# Altium PCB PCB_15122020_01CA.PcbDoc (part 4 of 5) (continued)
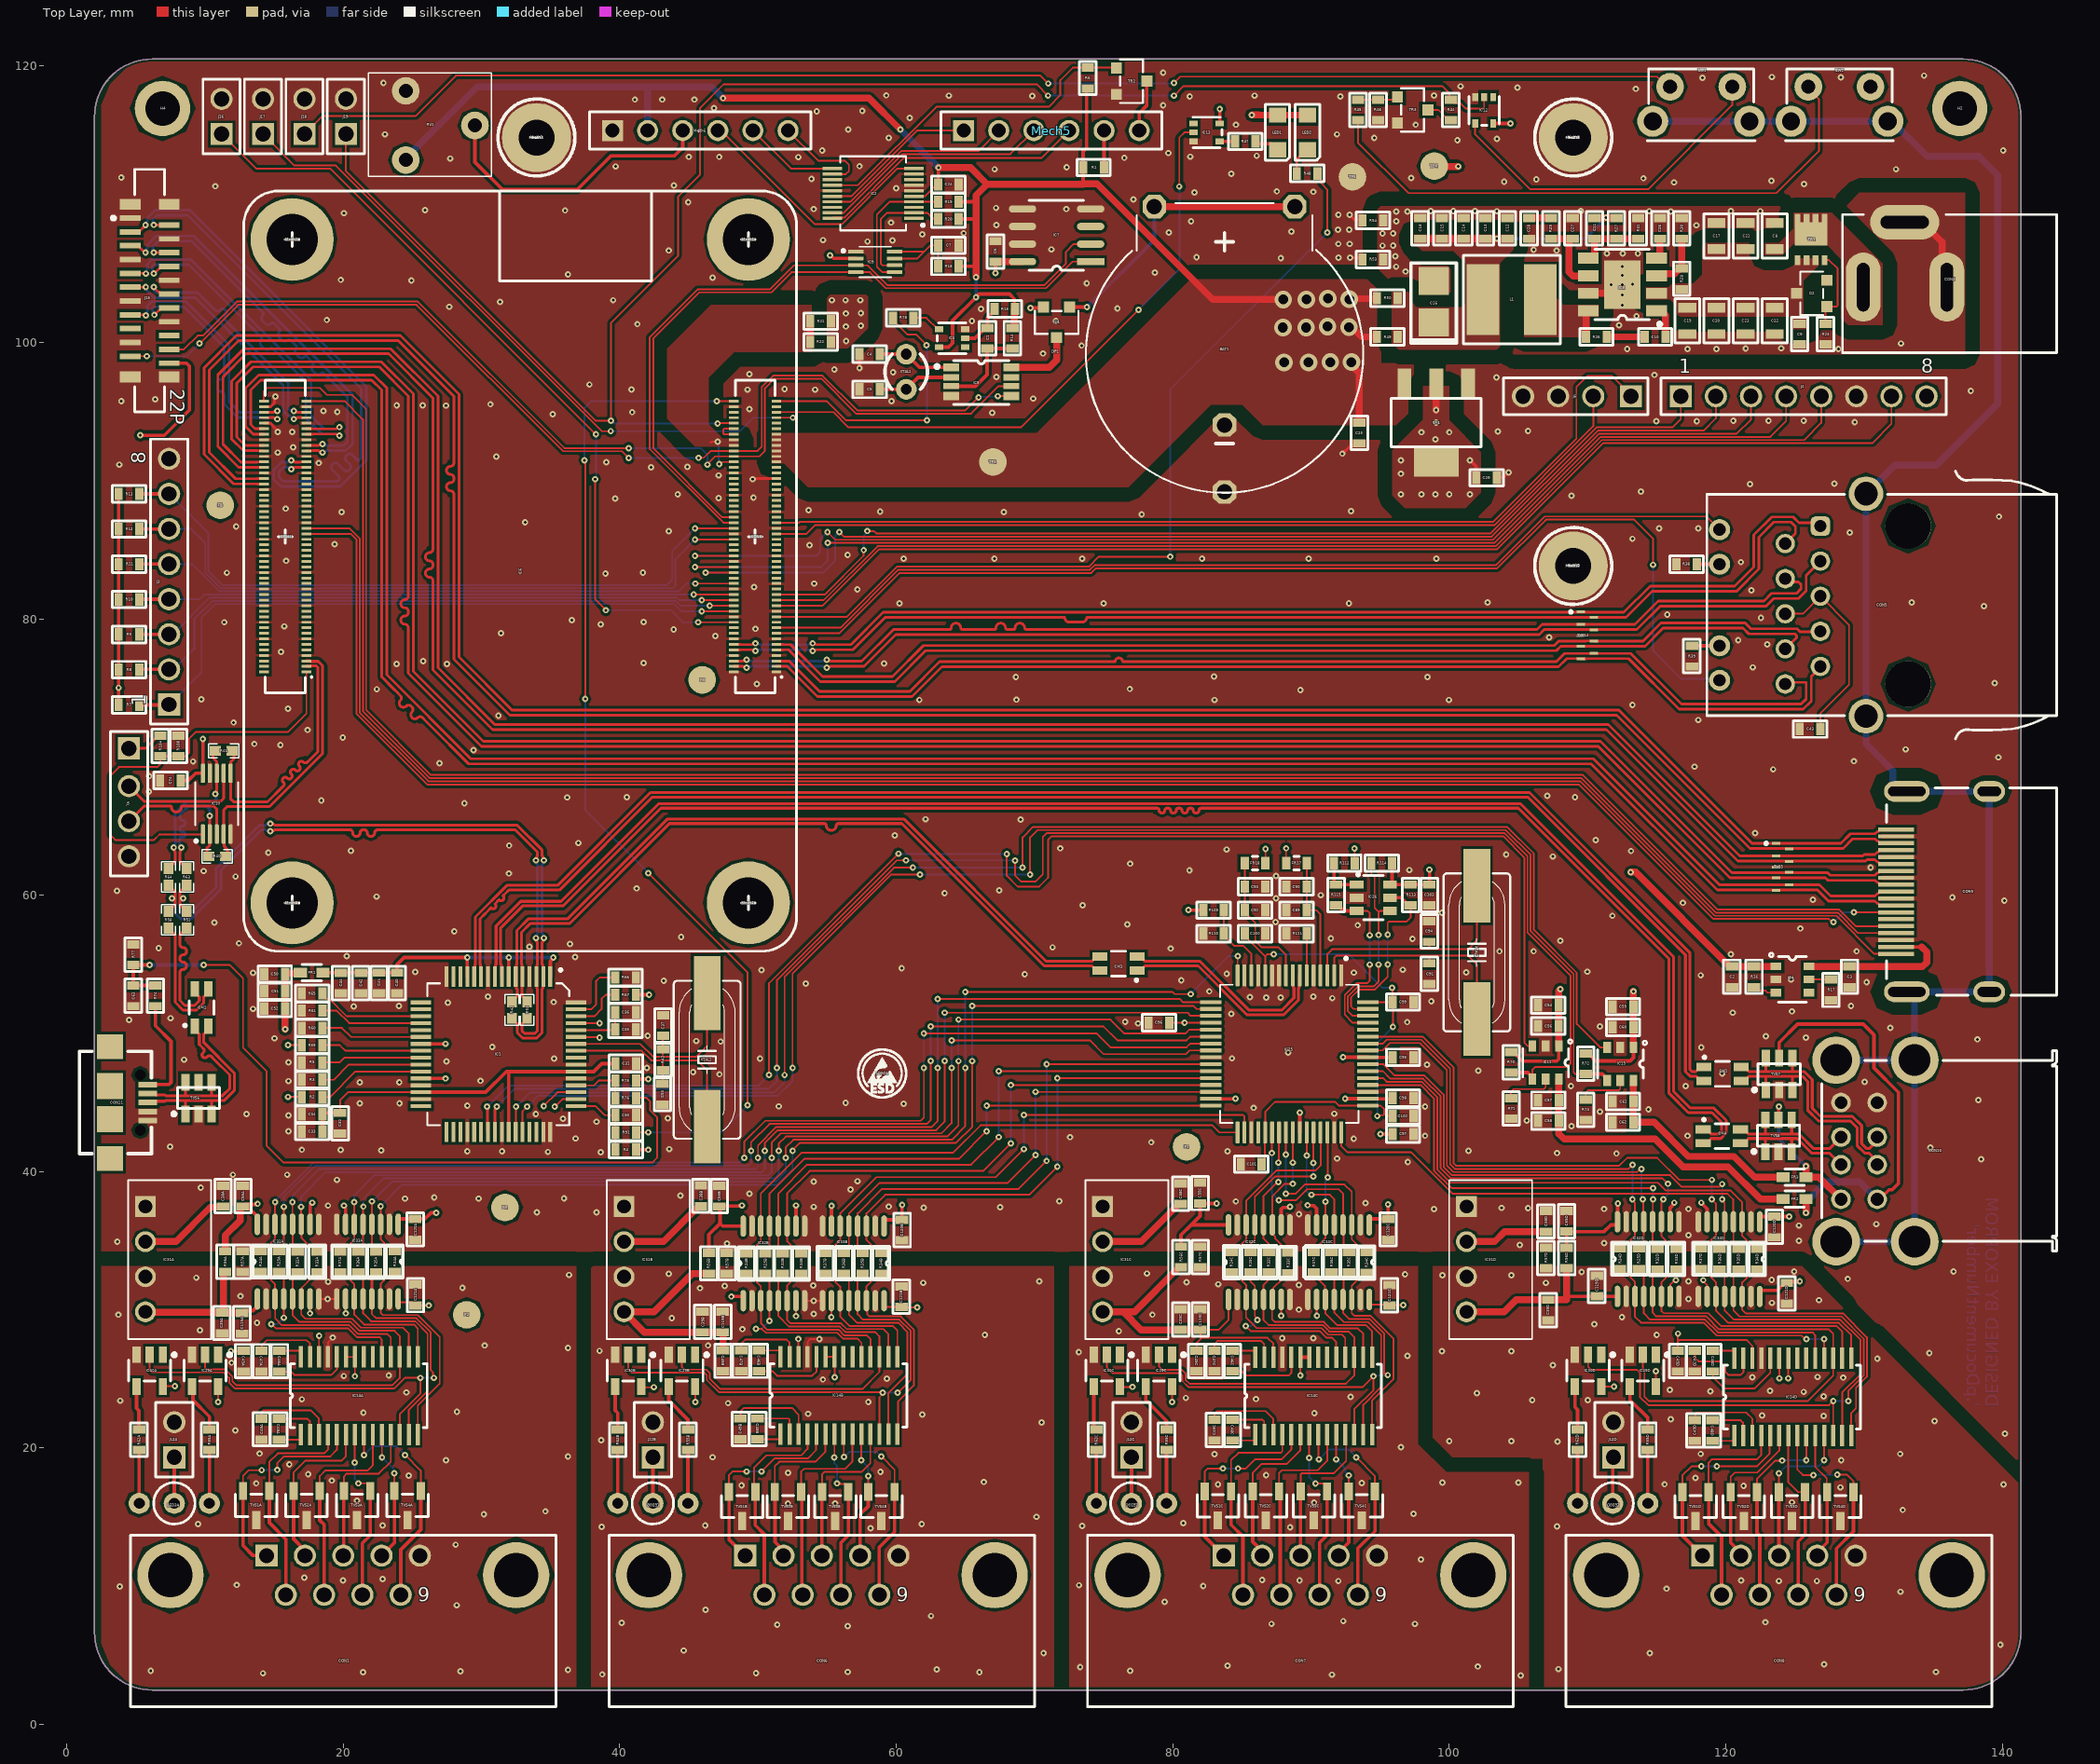
[diagram p0: Top Layer view]
## Nets (pads, with @x,y where several pads share a name; then routed paths per layer and width w, separated by ;. In a path a pad name is that pad's centre, name@x,y a point inside that pad or via, vN(x,y) a via of type N, cw(c..) or ccw(c..) an arc to the next point about the centre after c; other vN are vias at no path point) (continued)
RS_CTS_1: CON1.8 IC14A.7 TVS3A.1 | length 12.7
  Top Layer w0.127: v1(20.825,18.95) 20.833,18.958 20.833,20.981 IC14A.7@20.841,20.989 ; v1(21.1,17.45) 21.717,17.45 21.954,17.214 TVS3A.1@21.954,16.896
  Top Layer w0.254: CON1.8@21.385,9.38 21.385,13.11 21.954,13.679 TVS3A.1@21.954,16.896
  Bottom Layer w0.127: v1(20.825,18.95) 20.825,17.763 21.1,17.488 v1(21.1,17.45)
RS_CTS_2: CON6.8 IC14B.7 TVS3B.1 | length 12.6
  Top Layer w0.127: v1(55.525,19.325) 55.53,19.33 55.53,21.009 IC14B.7@55.534,21.014 ; v1(55.725,17.45) 55.765,17.41 56.3,17.41 56.537,17.173 TVS3B.1@56.537,16.823
  Top Layer w0.254: CON6.8@56.004,9.38 56.004,13.154 56.537,13.687 TVS3B.1@56.537,16.823
  Bottom Layer w0.127: v1(55.525,19.325) 55.525,18.909 55.725,18.71 v1(55.725,17.45)
RS_CTS_3: CON7.8 IC14C.7 TVS3C.1 | length 12.7
  Top Layer w0.127: v1(89.875,19.3) 89.877,19.302 89.877,20.973 IC14C.7@89.879,20.975 ; v1(90.325,17.425) 90.925,17.425 91.161,17.189 TVS3C.1@91.161,16.867
  Top Layer w0.254: CON7.8@90.622,9.38 90.622,13.147 91.161,13.686 TVS3C.1@91.161,16.867
  Bottom Layer w0.127: v1(89.875,19.3) 89.875,17.875 v1(90.325,17.425)
RS_CTS_4: CON8.8 IC14D.7 TVS3D.1 | length 12.5
  Top Layer w0.127: IC14D.7@124.527,20.892 124.527,17.523 125.238,16.812 TVS3D.1@125.749,16.812
  Top Layer w0.254: CON8.8@125.241,9.38 125.241,13.241 125.749,13.749 TVS3D.1@125.749,16.812
RS_DCD_1: CON1.1 IC14A.5 TVS1A.2 | length 16
  Top Layer w0.127: TVS1A.2@12.754,16.896 12.754,18 13.154,18.4 v1(14.1,18.4) ; v1(15.225,18.425) 15.225,18.896 15.725,19.396 19.071,19.396 19.541,19.866 IC14A.5@19.541,20.989
  Top Layer w0.254: TVS1A.2@12.754,16.896 12.754,12.941 13.475,12.22 CON1.1@14.46,12.22
  Bottom Layer w0.127: v1(14.1,18.4) 14.113,18.413 15.212,18.413 v1(15.225,18.425)
RS_DCD_2: CON6.1 IC14B.5 TVS1B.2 | length 14.5
  Top Layer w0.127: TVS1B.2@47.906,16.823 47.906,18.056 48.15,18.3 v1(49.175,18.3) ; v1(50.25,18.3) 51.196,19.246 53.596,19.246 54.2,19.85 54.2,20.979 IC14B.5@54.234,21.014
  Top Layer w0.254: TVS1B.2@47.906,16.823 47.906,13.393 CON6.1@49.079,12.22
  Bottom Layer w0.127: v1(49.175,18.3) v1(50.25,18.3)
RS_DCD_3: CON7.1 IC14C.5 TVS1C.2 | length 14.7
  Top Layer w0.127: TVS1C.2@82.32,16.867 82.32,18.32 82.525,18.525 v1(83.625,18.525) ; v1(84.725,18.525) 85.3,18.525 85.973,19.198 87.898,19.198 88.579,19.879 IC14C.5@88.579,20.975
  Top Layer w0.254: TVS1C.2@82.32,16.867 82.32,13.597 CON7.1@83.697,12.22
  Bottom Layer w0.127: v1(83.625,18.525) v1(84.725,18.525)
RS_DCD_4: CON8.1 IC14D.5 TVS1D.2 | length 14.7
  Top Layer w0.127: TVS1D.2@116.868,16.812 116.868,18.018 117.525,18.675 v1(118.235,18.675) ; v1(119.35,18.675) 122.25,18.675 123.177,19.602 123.177,20.842 IC14D.5@123.227,20.892
  Top Layer w0.254: TVS1D.2@116.868,16.812 116.868,13.668 CON8.1@118.316,12.22
  Bottom Layer w0.127: v1(118.235,18.675) v1(119.35,18.675)
RS_DSR_1: CON1.6 IC14A.4 TVS1A.1 | length 15.8
  Top Layer w0.127: TVS1A.1@14.654,16.896 14.654,19.004 15.275,19.625 18.625,19.625 18.891,19.891 IC14A.4@18.891,20.989
  Top Layer w0.254: TVS1A.1@14.654,16.896 14.654,14.596 15.845,13.405 CON1.6@15.845,9.38
RS_DSR_2: CON6.6 IC14B.4 TVS1B.1 | length 15
  Top Layer w0.127: TVS1B.1@49.806,16.823 49.725,16.904 49.725,18.6 50.6,19.475 53.125,19.475 53.584,19.934 IC14B.4@53.584,21.014
  Top Layer w0.254: TVS1B.1@49.806,16.823 49.806,14.419 50.464,13.761 CON6.6@50.464,9.38
RS_DSR_3: CON7.6 IC14C.4 TVS1C.1 | length 15.3
  Top Layer w0.127: TVS1C.1@84.22,16.867 84.22,19.125 84.745,19.65 87.812,19.65 87.929,19.767 IC14C.4@87.929,20.975
  Top Layer w0.254: TVS1C.1@84.22,16.867 84.22,14.455 85.082,13.593 CON7.6@85.082,9.38
RS_DSR_4: CON8.6 IC14D.4 TVS1D.1 | length 15.4
  Top Layer w0.127: TVS1D.1@118.768,16.812 118.768,18.943 119.025,19.2 122.27,19.2 122.577,19.507 IC14D.4@122.577,20.892
  Top Layer w0.254: TVS1D.1@118.768,16.812 118.768,14.532 119.701,13.599 CON8.6@119.701,9.38
RS_DTR_1: CON1.4 IC14A.10 TVS4A.2 | length 9.5
  Top Layer w0.127: IC14A.10@22.791,20.989 22.796,20.985 22.796,19.334 v1(22.8,19.33) ; v1(23.7,18.175) 23.7,16.9 TVS4A.2@23.704,16.896
  Top Layer w0.254: CON1.4@22.77,12.22 23.704,13.154 TVS4A.2@23.704,16.896
  Bottom Layer w0.127: v1(22.8,19.33) 23.638,18.492 23.638,18.237 v1(23.7,18.175)
RS_DTR_2: CON6.4 IC14B.10 TVS4B.2 | length 9.3
  Top Layer w0.127: v1(57.475,19.113) 57.48,19.117 57.48,21.009 IC14B.10@57.484,21.014 ; TVS4B.2@57.982,16.823 v1(57.982,17.975)
  Top Layer w0.254: CON6.4@57.389,12.22 57.389,15.199 57.982,15.792 TVS4B.2@57.982,16.823
  Bottom Layer w0.127: v1(57.475,19.113) 57.982,18.606 v1(57.982,17.975)
RS_DTR_3: CON7.4 IC14C.10 TVS4C.2 | length 9.4
  Top Layer w0.127: v1(91.825,19.175) 91.827,19.177 91.827,20.973 IC14C.10@91.829,20.975 ; v1(92.725,18.025) 92.732,18.018 TVS4C.2@92.732,16.867
  Top Layer w0.254: CON7.4@92.007,12.22 92.007,12.441 92.732,13.165 TVS4C.2@92.732,16.867
  Bottom Layer w0.127: v1(91.825,19.175) 92.431,18.569 92.431,18.319 v1(92.725,18.025)
RS_DTR_4: CON8.4 IC14D.10 TVS4D.2 | length 9.3
  Top Layer w0.127: IC14D.10@126.477,20.892 126.477,18.648 127.3,17.825 127.3,16.852 TVS4D.2@127.34,16.812
  Top Layer w0.254: CON8.4@126.626,12.22 126.626,12.463 127.34,13.176 TVS4D.2@127.34,16.812
RS_RI_1: CON1.9 IC14A.8 TVS4A.1 | length 16.2
  Top Layer w0.127: IC14A.8@21.491,20.989 21.496,20.985 21.496,19.504 v1(21.5,19.5) ; v1(24.475,19.5) 25.604,18.371 TVS4A.1@25.604,16.896
  Top Layer w0.254: CON1.9@24.155,9.38 24.155,12.655 25.604,14.104 TVS4A.1@25.604,16.896
  Bottom Layer w0.127: v1(21.5,19.5) 22.125,20.125 23.85,20.125 v1(24.475,19.5)
RS_RI_2: CON6.9 IC14B.8 TVS4B.1 | length 15.5
  Top Layer w0.127: IC14B.8@56.184,21.014 56.205,20.993 56.205,19.37 v1(56.225,19.35) ; v1(58.925,19.4) 59.882,18.443 TVS4B.1@59.882,16.823
  Top Layer w0.254: CON6.9@58.774,9.38 58.774,12.824 59.882,13.932 TVS4B.1@59.882,16.823
  Bottom Layer w0.127: v1(56.225,19.35) 56.6,19.725 58.6,19.725 v1(58.925,19.4)
RS_RI_3: CON7.9 IC14C.8 TVS4C.1 | length 16.1
  Top Layer w0.127: IC14C.8@90.529,20.975 90.552,20.952 90.552,19.198 v1(90.575,19.175) ; v1(93.275,19.33) 94.632,17.973 TVS4C.1@94.632,16.867
  Top Layer w0.254: CON7.9@93.392,9.38 93.392,12.742 94.632,13.982 TVS4C.1@94.632,16.867
  Bottom Layer w0.127: v1(90.575,19.175) 91.3,19.9 92.725,19.9 93.275,19.35 v1(93.275,19.33)
RS_RI_4: CON8.9 IC14D.8 TVS4D.1 | length 15.6
  Top Layer w0.127: IC14D.8@125.177,20.892 125.177,18.447 125.573,18.05 v1(126.35,18.05) ; v1(128.075,18.075) 128.775,18.075 129.24,17.61 TVS4D.1@129.24,16.812
  Top Layer w0.254: CON8.9@128.011,9.38 128.011,12.736 129.24,13.965 TVS4D.1@129.24,16.812
  Bottom Layer w0.127: v1(126.35,18.05) 126.363,18.063 128.062,18.063 v1(128.075,18.075)
RS_RTS_1: CON1.7 IC14A.9 TVS2A.1 | length 15.1
  Top Layer w0.127: TVS2A.1@18.3,16.896 18.3,17.975 18.7,18.375 21.75,18.375 22.141,18.766 IC14A.9@22.141,20.989
  Top Layer w0.254: TVS2A.1@18.3,16.896 18.3,14.775 18.615,14.46 CON1.7@18.615,9.38
RS_RTS_2: CON6.7 IC14B.9 TVS2B.1 | length 15
  Top Layer w0.127: TVS2B.1@53.118,16.823 53.118,18.293 53.325,18.5 56.3,18.5 56.834,19.034 IC14B.9@56.834,21.014
  Top Layer w0.254: TVS2B.1@53.118,16.823 53.176,16.766 53.176,9.438 CON6.7@53.234,9.38
RS_RTS_3: CON7.7 IC14C.9 TVS2C.1 | length 14.6
  Top Layer w0.127: TVS2C.1@87.691,16.867 87.691,18.191 87.9,18.4 90.5,18.4 91.179,19.079 IC14C.9@91.179,20.975
  Top Layer w0.254: TVS2C.1@87.691,16.867 87.772,16.786 87.772,9.461 CON7.7@87.852,9.38
RS_RTS_4: CON8.7 IC14D.9 TVS2D.1 | length 14.4
  Top Layer w0.127: TVS2D.1@122.258,16.812 122.258,17.758 123.6,19.1 v1(124.075,19.1) ; v1@125.826,19.126 IC14D.9@125.826,20.891
  Top Layer w0.254: TVS2D.1@122.258,16.812 122.258,13.884 122.471,13.671 CON8.7@122.471,9.38
  Bottom Layer w0.127: v1(124.075,19.1) 124.088,19.113 125.813,19.113 v1(125.825,19.125)
RS_RX_1: CON1.2 IC14A.6 TVS2A.2 | length 12.2
  Top Layer w0.127: TVS2A.2@16.4,16.896 16.4,18.225 17.25,19.075 19.85,19.075 20.191,19.416 IC14A.6@20.191,20.989
  Top Layer w0.254: TVS2A.2@16.4,16.896 16.4,13.414 17.23,12.584 CON1.2@17.23,12.22
RS_RX_2: CON6.2 IC14B.6 TVS2B.2 | length 12.1
  Top Layer w0.127: TVS2B.2@51.218,16.823 51.218,18.688 51.548,19.018 54.143,19.018 54.884,19.759 IC14B.6@54.884,21.014
  Top Layer w0.254: TVS2B.2@51.218,16.823 51.225,16.816 51.225,13.208 51.849,12.584 CON6.2@51.849,12.22
RS_RX_3: CON7.2 IC14C.6 TVS2C.2 | length 11.5
  Top Layer w0.127: TVS2C.2@85.791,16.867 85.791,18.225 86.416,18.85 88.225,18.85 89.229,19.854 IC14C.6@89.229,20.975
  Top Layer w0.254: TVS2C.2@85.791,16.867 85.791,13.214 86.467,12.537 CON7.2@86.467,12.22
RS_RX_4: CON8.2 IC14D.6 TVS2D.2 | length 11.4
  Top Layer w0.127: TVS2D.2@120.358,16.812 120.358,17.925 120.658,18.225 122.275,18.225 123.877,19.827 IC14D.6@123.877,20.892
  Top Layer w0.254: TVS2D.2@120.358,16.812 120.358,13.163 121.086,12.435 CON8.2@121.086,12.22
RS_TXD_1: CON1.3 IC14A.11 TVS3A.2 | length 11.6
  Top Layer w0.127: TVS3A.2@20.054,16.896 20.054,17.95 20.25,18.146 22.571,18.146 23.441,19.016 IC14A.11@23.441,20.989
  Top Layer w0.254: CON1.3@20,12.22 20.027,12.247 20.027,16.869 TVS3A.2@20.054,16.896
RS_TXD_2: CON6.3 IC14B.11 TVS3B.2 | length 11.8
  Top Layer w0.127: TVS3B.2@54.637,16.823 54.637,18.108 54.8,18.271 57.496,18.271 58.125,18.9 58.125,21.004 IC14B.11@58.134,21.014
  Top Layer w0.254: CON6.3@54.619,12.22 54.628,12.229 54.628,16.814 TVS3B.2@54.637,16.823
RS_TXD_3: CON7.3 IC14C.11 TVS3C.2 | length 11.5
  Top Layer w0.127: TVS3C.2@89.261,16.867 89.261,18.097 89.336,18.171 91.643,18.171 92.55,19.079 92.55,20.904 IC14C.11@92.479,20.975
  Top Layer w0.254: CON7.3@89.237,12.22 89.249,12.232 89.249,16.855 TVS3C.2@89.261,16.867
RS_TXD_4: CON8.3 IC14D.11 TVS3D.2 | length 11.4
  Top Layer w0.127: TVS3D.2@123.849,16.812 123.85,16.813 v1(123.85,18.175) ; v1(127.125,19.113) IC14D.11@127.126,20.891
  Top Layer w0.254: TVS3D.2@123.849,16.812 123.853,16.809 123.853,12.223 CON8.3@123.856,12.22
  Bottom Layer w0.127: v1(123.85,18.175) 124.35,18.675 126.687,18.675 v1(127.125,19.113)
RUN_PG: CON3.92 IC12.2 J19.1 R44.1 | length 123.3
  Top Layer w0.127: J19.1@20.196,115.075 20.196,112.398 38.269,94.325 v1(39.375,94.325) 39.375,101.425 44.225,106.275 44.225,110.55 45.8,112.125 45.8,116.95 47.525,118.675 70.15,118.675 v1(70.975,117.85) ; v1(47.075,94.125) 47.102,94.152 CON3.92@48.257,94.152 ; v1(80.1,117.85) 80.796,118.546 99.479,118.546 100.025,118 100.025,117.666 R44.1@100.122,117.568 100.359,117.332 100.768,117.332 101.175,116.925 102.446,116.925 102.527,117.006 IC12.2@102.527,117.743
  Bottom Layer w0.127: v1(39.375,94.325) 39.462,94.325 39.662,94.125 v1(47.075,94.125) ; v1(70.975,117.85) v1(80.1,117.85)
SCL0: CON3.80 IC5.6 J15.20 | length 74.8
  Top Layer w0.127: J15.20@7.4,99.495 8.47,99.495 9.475,100.5 9.852,100.5 12.305,102.954 25.395,102.954 35.995,92.354 40.649,92.354 v1(40.65,92.352) ; v1(46.35,91.15) 46.35,91.2 46.902,91.752 CON3.80@48.257,91.752 50.102,91.752 50.504,92.154 50.504,96.68 51.195,97.371 54.575,97.371 57.096,94.85 65.42,94.85 67.402,96.833 IC5.6@68.325,96.833
  Bottom Layer w0.127: v1(40.65,92.352) 45.85,92.352 46.35,91.853 v1(46.35,91.15)
SCL_+5V: IC2.2 IC9.6 R20.2 | length 8.8
  Top Layer w0.127: IC9.6@59.88,105.575 59,105.575 58.875,105.7 58.875,108.897 59.353,109.375 IC2.2@61.275,109.375 62.225,109.375 62.65,108.95 63,108.95 R20.2@63.025,108.925
SD_CLK: CON3.57
SD_CMD: CON3.62
SD_DAT0: CON3.63
SD_DAT1: CON3.67
SD_DAT2: CON3.69
SD_DAT3: CON3.61
SD_DAT4: CON3.68
SD_DAT5: CON3.64
SD_DAT6: CON3.72
SD_DAT7: CON3.70
SD_PWR_ON: CON3.75
SD_VDD_Override: CON3.73
SDA0: CON3.82 IC5.5 J15.21 | length 76.3
  Top Layer w0.127: J15.21@4.6,98.995 4.605,99 v1(5.8,99) ; v1(9.6,99.925) 12.4,102.725 25.3,102.725 35.9,92.125 40.15,92.125 v1(40.65,91.625) ; v1(45.7,91.65) 46.075,91.65 46.564,92.139 48.243,92.139 CON3.82@48.257,92.152 49.977,92.152 50.275,92.45 50.275,96.775 51.1,97.6 54.67,97.6 57.191,95.079 65.004,95.079 v1(65.95,96.025) ; v1(67.35,96.108) IC5.5@68.325,96.108
  Bottom Layer w0.127: v1(5.8,99) 8.675,99 v1(9.6,99.925) ; v1(40.65,91.625) 40.662,91.638 45.688,91.638 v1(45.7,91.65) ; v1(65.95,96.025) 65.991,96.066 67.309,96.066 v1(67.35,96.108)
SDA_+5V: IC2.4 IC9.5 R19.2 | length 10
  Top Layer w0.127: IC9.5@59.88,105.075 59.009,105.075 58.6,105.484 58.6,109.25 59.525,110.175 IC2.4@61.275,110.175 R19.2@63.025,110.175
TTL_CTSA: IC25.19 IC32A.11 R33A.1 | length 81.7
  Top Layer w0.127: v1(16.95,37.448) 16.957,37.441 16.957,36.196 IC32A.11@16.964,36.189 16.976,36.176 16.976,35.224 17.975,34.225 R33A.1@18.125,34.225 ; v1(50.5,41.5) 50.5,42.083 51.415,42.998 62.884,42.998 63.5,43.614 v1(63.5,48.006) ; v1(63.5,51.5) 81.069,51.5 81.298,51.271 IC25.19@82.757,51.271
  Bottom Layer w0.127: v1(16.95,37.448) 16.95,38.185 18.729,39.964 50.261,39.964 50.5,40.203 v1(50.5,41.5) ; v1(63.5,48.006) v1(63.5,51.5)
TTL_CTSB: IC25.29 IC32B.11 R33B.1 | length 41.2
  Top Layer w0.127: R33B.1@53.125,34.1 52.975,34.1 52.107,34.968 IC32B.11@52.107,36.064 52.107,38.419 53.736,40.048 66.298,40.048 v1(68.3,42.05) ; v1(68.3,46.271) IC25.29@82.757,46.271
  Bottom Layer w0.127: v1(68.3,42.05) v1(68.3,46.271)
TTL_CTSC: IC25.41 IC32C.11 R33C.1 | length 10.2
  Top Layer w0.127: R33C.1@88.35,34.15 88.2,34.15 87.963,34.386 87.963,34.615 87.414,35.165 87.414,35.298 87.21,35.502 IC32C.11@87.21,36.151 87.21,38.235 88.097,39.122 88.684,39.122 v1(88.687,39.125) ; v1(88.687,40.65) IC25.41@88.687,42.841
  Bottom Layer w0.127: v1(88.687,39.125) v1(88.687,40.65)
TTL_CTSD: IC25.54 IC32D.11 R33D.1 | length 33.6
  Top Layer w0.127: IC25.54@94.117,47.271 95.204,47.271 95.747,46.728 98.119,46.728 99.375,45.472 99.375,40.256 100.116,39.515 115.424,39.515 v1(115.814,39.125) ; v1(115.486,38) 115.486,37.91 115.348,37.772 IC32D.11@115.348,36.375 115.348,35.362 116.285,34.425 R33D.1@116.435,34.425
  Bottom Layer w0.127: v1(115.486,38) 115.814,38.329 v1(115.814,39.125)
TTL_DCDA: IC25.23 IC32A.14 R24A.1 | length 81.6
  Top Layer w0.127: R24A.1@14.025,34.25 14.175,34.25 15.059,35.134 IC32A.14@15.059,36.189 15.067,36.197 15.067,37.792 v1(15.075,37.8) ; v1(49,41) 49,42.158 50.525,43.684 61.759,43.684 62,43.925 v1(62,47.5) ; v1(62,50) 74.5,50 75.5,49 81,49 81.271,49.271 IC25.23@82.757,49.271
  Bottom Layer w0.127: v1(15.075,37.8) 15.075,37.873 17.852,40.65 48.65,40.65 v1(49,41) ; v1(62,47.5) v1(62,50)
TTL_DCDB: IC25.33 IC32B.14 R24B.1 | length 41.6
  Top Layer w0.127: R24B.1@49.154,34.1 49.304,34.1 50.202,34.997 IC32B.14@50.202,36.064 50.202,38.419 53.158,41.375 64.125,41.375 66.1,43.35 82.875,43.35 83.384,42.841 IC25.33@84.687,42.841
TTL_DCDC: IC25.45 IC32C.14 R24C.1 | length 13.1
  Top Layer w0.127: R24C.1@84.258,34.2 84.408,34.2 85.305,35.097 IC32C.14@85.305,36.151 85.305,37.88 87.525,40.1 90.35,40.1 90.7,40.45 90.7,42.828 IC25.45@90.687,42.841
TTL_DCDD: IC25.58 IC32D.14 R24D.1 | length 34
  Top Layer w0.127: IC25.58@94.117,49.271 95.196,49.271 95.467,49.542 97.984,49.542 100.061,47.466 100.061,40.54 100.4,40.201 112.963,40.201 v1(113.262,40.5) ; R24D.1@112.355,34.45 112.505,34.45 113.443,35.387 IC32D.14@113.443,36.375 113.443,37.737 113.25,37.93 v1(113.25,38) v1@113.25,38.02
  Bottom Layer w0.127: v1(113.25,38) 113.262,38.012 v1(113.262,40.5)
TTL_DSRA: IC25.22 IC32A.13 R25A.1 | length 81.6
  Top Layer w0.127: R25A.1@15.35,34.25 15.457,34.25 15.694,34.487 IC32A.13@15.694,36.189 15.697,36.192 15.697,37.444 v1(15.7,37.448) ; v1(49.5,41.5) 49.5,42.114 50.841,43.455 62.193,43.455 62.5,43.762 v1(62.5,48.006) ; v1(62.5,50.5) 75,50.5 76,49.5 81,49.5 81.271,49.771 IC25.22@82.757,49.771
  Bottom Layer w0.127: v1(15.7,37.448) 15.7,38.175 17.947,40.422 48.98,40.422 ; 49,40.422 49.297,40.422 49.5,40.625 v1(49.5,41.5) ; v1(62.5,48.006) v1(62.5,50.5)
TTL_DSRB: IC25.32 IC32B.13 R25B.1 | length 40.1
  Top Layer w0.127: R25B.1@50.525,34.1 50.6,34.1 50.837,34.336 IC32B.13@50.837,36.064 50.837,38.419 53.343,40.925 64.526,40.925 v1(66.528,42.927) ; v1(66.55,44.771) IC25.32@82.757,44.771
  Bottom Layer w0.127: v1(66.528,42.927) 66.539,42.938 66.539,44.76 v1(66.55,44.771)
TTL_DSRC: IC25.44 IC32C.13 R25C.1 | length 12.2
  Top Layer w0.127: R25C.1@85.625,34.2 85.625,34.775 85.94,35.09 IC32C.13@85.94,36.151 85.94,38.192 87.398,39.65 v1(90.175,39.65) ; v1(90.175,40.625) 90.181,40.631 90.181,42.835 IC25.44@90.187,42.841
  Bottom Layer w0.127: v1(90.175,39.65) v1(90.175,40.625)
TTL_DSRD: IC25.57 IC32D.13 R25D.1 | length 34.1
  Top Layer w0.127: IC25.57@94.117,48.771 95.171,48.771 95.714,49.314 97.861,49.314 99.832,47.343 99.832,40.445 100.305,39.972 113.6,39.972 113.828,40.2 v1(113.9,40.2) ; R25D.1@113.715,34.45 113.841,34.45 114.078,34.686 IC32D.13@114.078,36.375 114.039,36.414 114.039,37.961 v1(114,38)
  Bottom Layer w0.127: v1(113.9,40.2) 113.9,38.1 v1(114,38)
TTL_DTRA: IC25.21 IC33A.5 R36A.1 | length 77
  Top Layer w0.127: R36A.1@21.075,34.225 21.197,34.225 21.434,34.462 IC33A.5@21.434,36.189 21.442,36.197 21.442,37.467 v1(21.45,37.475) ; v1(51.5,41.5) 51.5,42.025 52.016,42.541 63.694,42.541 64.5,43.347 v1(64.5,48) ; v1(64.5,51) 75.5,51 76.5,50 80.925,50 81.196,50.271 IC25.21@82.757,50.271
  Bottom Layer w0.127: v1(21.45,37.475) 21.45,38.05 22.907,39.507 51.182,39.507 51.5,39.825 v1(51.5,41.5) ; v1(64.5,48) v1(64.5,51)
TTL_DTRB: IC25.30 IC33B.5 R36B.1 | length 35.6
  Top Layer w0.127: R36B.1@56.125,34.125 56.275,34.125 56.577,34.427 IC33B.5@56.577,36.064 56.577,36.977 58.775,39.175 68.05,39.175 v1(70.075,41.2) ; v1@70.075,45.771 IC25.30@82.757,45.771
  Bottom Layer w0.127: v1(70.075,41.2) v1(70.075,45.775)
TTL_DTRC: IC25.43 IC33C.5 R36C.1 | length 10.4
  Top Layer w0.127: v1(89.687,41.175) IC25.43@89.687,42.841 ; v1(90.025,38.325) 91.375,38.325 91.68,38.02 IC33C.5@91.68,36.151 91.68,34.38 R36C.1@91.5,34.2
  Bottom Layer w0.127: v1(89.687,41.175) 89.683,41.171 89.683,38.6 89.958,38.325 v1(90.025,38.325)
TTL_DTRD: IC25.55 IC33D.5 R36D.1 | length 37.4
  Top Layer w0.127: IC25.55@94.117,47.771 95.254,47.771 96.068,46.957 98.213,46.957 99.604,45.566 99.604,40.35 100.21,39.744 115.981,39.744 116.824,38.9 119.55,38.9 v1(119.75,39.1) ; R36D.1@119.561,34.425 119.687,34.425 119.924,34.662 IC33D.5@119.924,36.367 119.924,37.737 119.75,37.91 v1(119.75,38)
  Bottom Layer w0.127: v1(119.75,38) v1(119.75,39.1)
TTL_RIA: IC25.24 IC33A.6 R37A.1 | length 76.5
  Top Layer w0.127: R37A.1@19.775,34.225 19.925,34.225 20.799,35.099 IC33A.6@20.799,36.189 ; IC33A.6@20.799,36.19 v1(20.8,37.8) ; v1(51,41) 51,42.129 51.64,42.769 63.268,42.769 64,43.501 v1(64,47.5) ; v1(64,49.5) 74,49.5 75,48.5 80.954,48.5 81.225,48.771 IC25.24@82.757,48.771
  Bottom Layer w0.127: v1(20.8,37.8) 20.8,38.3 22.236,39.736 50.729,39.736 51,40.006 v1(51,41) ; v1(64,47.5) v1(64,49.5)
TTL_RIB: IC25.34 IC33B.6 R37B.1 | length 38.2
  Top Layer w0.127: R37B.1@54.859,34.125 55.009,34.125 55.942,35.057 IC33B.6@55.942,36.064 55.942,36.977 58.565,39.6 67.2,39.6 v1(69.225,41.625) ; v1(69.225,44.1) 85.1,44.1 85.187,44.013 IC25.34@85.187,42.841
  Bottom Layer w0.127: v1(69.225,41.625) v1(69.225,44.1)
TTL_RIC: IC25.46 IC33C.6 R37C.1 | length 9.2
  Top Layer w0.127: R37C.1@90.2,34.2 90.35,34.2 90.587,34.436 90.587,34.727 91.045,35.185 IC33C.6@91.045,36.151 v1(91.045,37.825) ; IC25.46@91.187,42.841 91.206,42.822 91.206,39.594 v1(91.225,39.575)
  Bottom Layer w0.127: v1(91.045,37.825) 91.045,39.308 91.225,39.488 v1(91.225,39.575)
TTL_RID: IC25.59 IC33D.6 R37D.1 | length 39.3
  Top Layer w0.127: IC25.59@94.117,49.771 98.079,49.771 100.305,47.545 100.305,40.619 100.494,40.429 112.304,40.429 112.875,41 115.047,41 116.647,39.4 v1(119.008,39.4) ; R37D.1@118.201,34.45 118.351,34.45 119.289,35.387 IC33D.6@119.289,36.367 119.289,37.696 118.998,37.987 v1(118.998,38)
  Bottom Layer w0.127: v1(118.998,38) v1@118.998,39.4
TTL_RTSA: IC25.18 IC33A.3 R34A.1 | length 76
  Top Layer w0.127: v1(22.7,37.489) 22.702,37.487 22.702,36.191 IC33A.3@22.704,36.189 22.704,35.121 23.575,34.25 R34A.1@23.725,34.25 ; v1(52.5,41.5) 52.5,41.547 53.036,42.083 64.333,42.083 65.5,43.25 v1(65.5,48) ; v1(65.5,52) 81.5,52 81.729,51.771 IC25.18@82.757,51.771
  Bottom Layer w0.127: v1(22.7,37.489) 24.261,39.05 51.371,39.05 52.5,40.179 v1(52.5,41.5) v1@52.5,41.612 ; v1(65.5,48) v1(65.5,52)
TTL_RTSB: IC25.28 IC33B.3 R34B.1 | length 36.1
  Top Layer w0.127: R34B.1@58.925,34.125 58.775,34.125 57.847,35.053 IC33B.3@57.847,36.064 57.847,36.977 59.195,38.325 69.625,38.325 v1(71.65,40.35) ; v1(71.65,46.771) IC25.28@82.757,46.771
  Bottom Layer w0.127: v1(71.65,40.35) v1(71.65,46.771)
TTL_RTSC: IC25.40 IC33C.3 R34C.1 | length 14.6
  Top Layer w0.127: v1(88.175,38.4) 88.875,38.4 89.55,39.075 92.425,39.075 92.95,38.55 IC33C.3@92.95,36.151 92.95,35.1 93.875,34.175 R34C.1@94.025,34.175 ; v1(88.175,41.225) 88.181,41.231 88.181,42.835 IC25.40@88.187,42.841
  Bottom Layer w0.127: v1(88.175,38.4) v1(88.175,41.225)
TTL_RTSD: IC25.53 IC33D.3 R34D.1 | length 37.8
  Top Layer w0.127: IC25.53@94.117,46.771 95.204,46.771 95.475,46.499 98.024,46.499 99.129,45.394 99.129,40.179 100.107,39.2 115.106,39.2 115.678,38.629 120.346,38.629 121.194,37.781 IC33D.3@121.194,36.367 121.194,35.362 122.131,34.425 R34D.1@122.281,34.425
TTL_RXA: IC25.17 IC32A.12 R32A.1 | length 82.8
  Top Layer w0.127: v1(16.325,37.8) 16.327,37.798 16.327,36.191 IC32A.12@16.329,36.189 16.329,34.462 16.565,34.225 R32A.1@16.7,34.225 ; v1(50,41) 50,41.906 51.321,43.226 62.562,43.226 63,43.664 v1(63,47.5) ; v1(63,52.5) 80.5,52.5 80.729,52.271 IC25.17@82.757,52.271
  Bottom Layer w0.127: v1(16.325,37.8) 16.325,38.25 18.268,40.193 49.833,40.193 50,40.36 v1(50,41) ; v1(63,47.5) v1(63,52.5)
TTL_RXB: IC25.27 IC32B.12 R32B.1 | length 42.3
  Top Layer w0.127: R32B.1@51.8,34.1 51.708,34.1 51.472,34.336 IC32B.12@51.472,36.064 51.472,38.419 53.551,40.498 65.423,40.498 v1(67.425,42.5) ; v1@67.425,47.271 IC25.27@82.757,47.271
  Bottom Layer w0.127: v1(67.425,42.5) v1(67.425,47.275)
TTL_RXC: IC25.39 IC32C.12 R32C.1 | length 9.3
  Top Layer w0.127: R32C.1@86.95,34.2 86.95,34.775 86.575,35.15 IC32C.12@86.575,36.151 86.575,38.25 87.575,39.25 v1(87.65,39.25) ; v1(87.65,40.65) 87.669,40.669 87.669,42.822 IC25.39@87.687,42.841
  Bottom Layer w0.127: v1(87.65,39.25) v1(87.65,40.65)
TTL_RXD: IC25.52 IC32D.12 R32D.1 | length 31.4
  Top Layer w0.127: IC25.52@94.117,46.271 97.929,46.271 98.9,45.3 98.9,40.084 100.184,38.8 v1(114.75,38.8) ; v1(114.75,38) 114.731,37.982 114.731,36.394 IC32D.12@114.713,36.375 114.713,34.662 114.949,34.425 R32D.1@115.075,34.425
  Bottom Layer w0.127: v1(114.75,38) v1(114.75,38.8)
TTL_TXA: IC25.16 IC33A.4 R35A.1 | length 82
  Top Layer w0.127: v1(22.075,37.848) 22.072,37.844 22.072,36.192 IC33A.4@22.069,36.189 22.069,34.462 22.305,34.225 R35A.1@22.375,34.225 ; v1(52,41) 52,41.753 52.559,42.312 64.011,42.312 65,43.301 v1(65,47.5) ; v1(65,53) 80,53 80.15,52.85 v1(81.298,52.85) ; IC25.16@84.687,54.201 84.694,54.207 84.694,55.594 v1(84.7,55.6)
  Bottom Layer w0.127: v1(22.075,37.848) 23.506,39.279 51.277,39.279 52,40.002 v1(52,41) ; v1(65,47.5) v1(65,53) ; v1(81.298,52.85) 84.048,55.6 v1(84.7,55.6)
TTL_TXB: IC25.26 IC33B.4 R35B.1 | length 37
  Top Layer w0.127: R35B.1@57.375,34.15 57.212,34.313 IC33B.4@57.212,36.064 57.212,36.977 58.985,38.75 68.85,38.75 v1(70.875,40.775) ; v1(70.875,47.771) IC25.26@82.757,47.771
  Bottom Layer w0.127: v1(70.875,40.775) v1(70.875,47.771)
TTL_TXC: IC25.38 IC33C.4 R35C.1 | length 14.7
  Top Layer w0.127: v1(87.175,41.35) 87.181,41.356 87.181,42.835 IC25.38@87.187,42.841 ; v1(87.669,37.925) 88.9,37.925 89.7,38.725 92,38.725 92.315,38.41 IC33C.4@92.315,36.151 92.363,36.103 92.363,34.436 92.6,34.2 R35C.1@92.75,34.2
  Bottom Layer w0.127: v1(87.175,41.35) 87.175,38.419 v1(87.669,37.925)
TTL_TXD: IC25.48 IC33D.4 R35D.1 | length 34.7
  Top Layer w0.127: IC25.48@92.187,42.841 92.187,41.852 92.639,41.4 97.261,41.4 100.261,38.4 120.14,38.4 120.54,38 120.54,36.386 IC33D.4@120.559,36.367 120.559,34.662 120.795,34.425 R35D.1@120.921,34.425
USB_1__N: CM3.1 IC25.7 | length 15.5
  Top Layer w0.206: CM3.1@77.425,54.55 77.675,54.55 77.872,54.747 77.872,54.763 77.993,54.884 81.846,54.884 85.387,51.342 88.013,51.342 89.104,52.433 89.104,53.281 89.15,53.328 89.15,54.164 IC25.7@89.187,54.201
USB_1__P: CM3.4 IC25.8 | length 15
  Top Layer w0.206: CM3.4@77.425,55.55 77.675,55.55 77.872,55.353 77.872,55.337 77.993,55.216 81.984,55.216 85.525,51.675 87.875,51.675 88.771,52.571 88.771,53.281 88.724,53.328 88.724,54.164 IC25.8@88.687,54.201
USB_1_N: CM3.2 IC1.5 R52.2 | length 55.3
  Top Layer w0.206: R52.2@33.3,52.3 33.3,52.35 33.053,52.597 33.037,52.597 32.916,52.718 32.916,53.246 32.934,53.264 32.934,54.071 IC1.5@32.971,54.108 32.934,54.145 32.934,54.952 32.887,54.999 32.887,57.312 33.525,57.95 36.36,57.95 43.597,65.187 53.85,65.187 54.213,65.187 54.804,65.187 cw(c54.804,65.052) 54.939,65.052 ccw(c55.301,65.052) 55.301,64.69 ccw(c55.301,65.052) 55.664,65.052 cw(c55.798,65.052) 55.798,65.187 56.05,65.187 60.408,65.187 70.711,54.884 74.157,54.884 74.278,54.763 74.278,54.747 74.475,54.55 CM3.2@74.725,54.55
USB_1_P: CM3.3 IC1.6 R42.2 | length 55.3
  Top Layer w0.206: R42.2@32.2,52.3 32.2,52.35 32.447,52.597 32.463,52.597 32.584,52.718 32.584,53.188 32.508,53.264 32.508,54.071 IC1.6@32.471,54.108 32.508,54.145 32.508,54.952 32.555,54.999 32.555,57.45 33.387,58.283 36.223,58.283 43.459,65.519 60.546,65.519 70.824,55.241 70.849,55.216 74.157,55.216 74.278,55.337 74.278,55.353 74.475,55.55 CM3.3@74.725,55.55
USB_BOOT_N: IC10.7 J5.2 | length 9.2
  Top Layer w0.206: J5.2@4.5,67.895 5.604,66.791 11.129,66.791 11.35,67.013 IC10.7@11.35,68.825
USB_BOOT_P: IC10.3 J5.3 | length 9.2
  Top Layer w0.206: J5.3@4.5,65.355 5.604,66.459 6.475,66.459 6.838,66.459 7.489,66.459 cw(c7.489,66.384) 7.564,66.384 ccw(c7.926,66.384) 7.926,66.022 ccw(c7.926,66.384) 8.289,66.384 cw(c8.363,66.384) 8.363,66.459 8.625,66.459 10.625,66.459 10.85,66.234 IC10.3@10.85,64.425
USB_HUB__N: IC10.8 R41.1 R64.2 | length 11.1
  Top Layer w0.206: R64.2@7.35,62.075 7.547,62.272 7.726,62.272 7.846,62.393 7.846,63.135 7.78,63.201 7.78,63.401 v1(7.732,63.45) ; R41.1@10.6,70.45 10.575,70.425 10.575,69.938 10.85,69.663 IC10.8@10.85,68.825 v1@10.85,67.494
  Bottom Layer w0.206: v1(7.732,63.45) 7.846,63.564 7.846,65.958 8.663,66.775 10.647,66.775 10.799,66.926 10.799,67.276 v1(10.75,67.325)
USB_HUB__P: IC10.2 R40.1 R63.2 | length 11.1
  Top Layer w0.206: v1(8.293,63.45) 8.245,63.401 8.245,63.201 8.179,63.135 8.179,62.393 8.299,62.272 8.478,62.272 R63.2@8.675,62.075 ; R40.1@10.125,62.815 10.13,62.82 10.13,63.405 10.35,63.625 IC10.2@10.35,64.425 v1(10.35,65.75)
  Bottom Layer w0.206: v1(8.293,63.45) 8.179,63.564 8.179,64.15 cw(c8.214,64.15) 8.214,64.185 8.37,64.185 ccw(c8.37,64.391) 8.576,64.391 ccw(c8.37,64.391) 8.37,64.596 cw(c8.37,64.788) 8.179,64.788 8.179,64.817 cw(c8.37,64.817) 8.37,65.008 ccw(c8.37,65.214) 8.576,65.214 ccw(c8.37,65.214) 8.37,65.419 cw(c8.37,65.611) 8.179,65.611 8.179,65.625 8.179,65.82 8.801,66.442 10.108,66.442 10.35,66.2 v1(10.35,65.75)